# Altium PCB TC364_MainBoard_PCB_V2.0.PcbDoc (part 2 of 2)
Units mm, origin at the board's own origin, x right, y up, seen from the top; angles counter-clockwise.
Board outline 115 x 100 mm, 4 copper layers (Top Layer, GND02, POW03, Bottom Layer); 79 components, 71 nets, 301 pads, 95 vias.
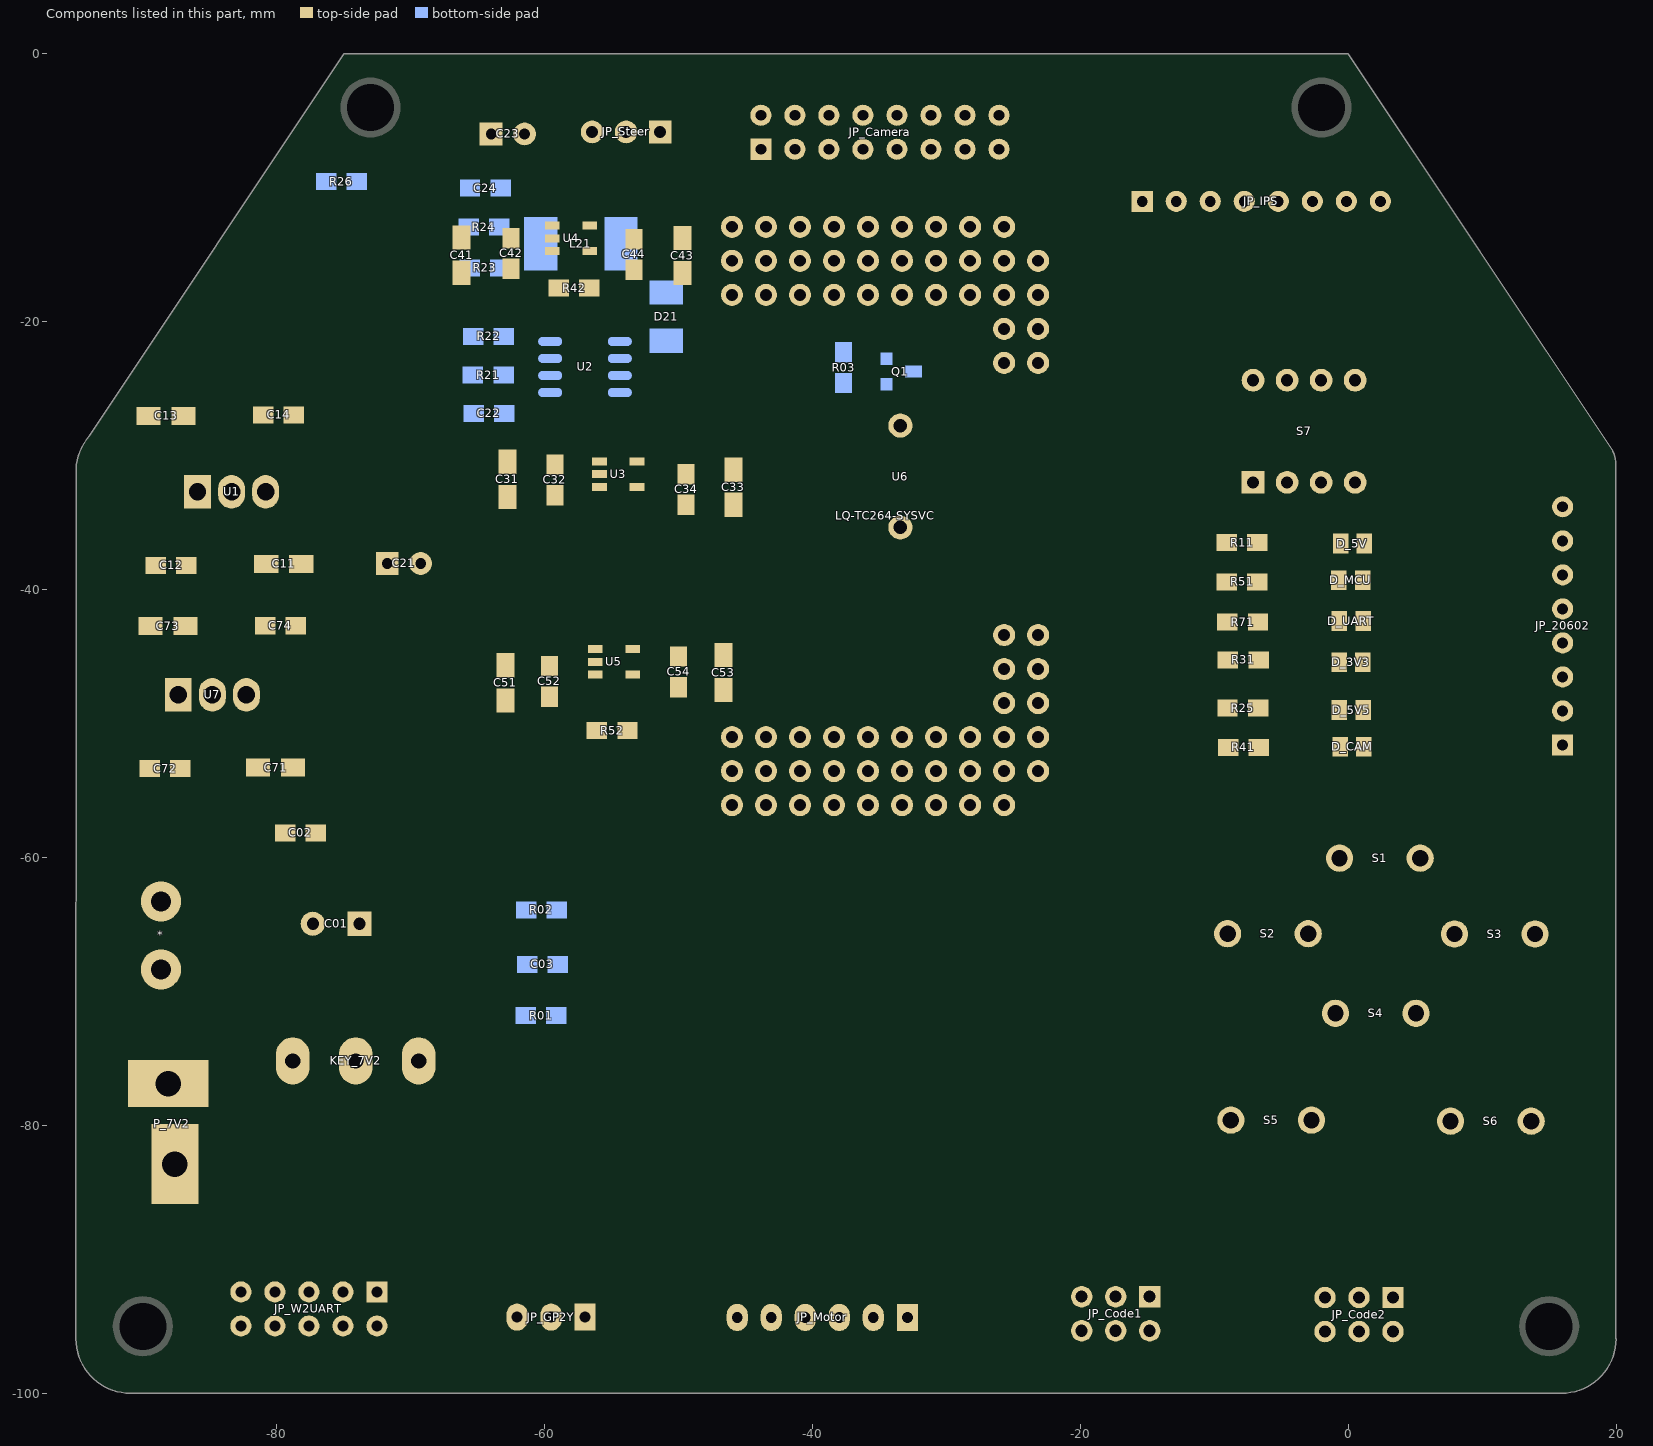
[diagram p4: the components of this part, seen from the top]

## Polygon pours and split planes (outlines as drawn) (continued)
GND on GND02 (split plane): 19.31,-29.886 19.345,-29.975 19.423,-30.27 19.469,-30.57 19.482,-30.874 19.472,-31.026 19.472,-31.043 19.471,-31.06 19.471,-95.917 19.481,-96.017 19.49,-96.046 19.49,-96.169 19.429,-96.631 19.308,-97.081 19.13,-97.511 18.897,-97.914 18.613,-98.284 18.284,-98.613 17.914,-98.897 17.511,-99.13 17.081,-99.308 16.631,-99.429 16.169,-99.49 -91.169,-99.49 -91.631,-99.429 -92.081,-99.308 -92.511,-99.13 -92.914,-98.897 -93.284,-98.613 -93.613,-98.284 -93.897,-97.914 -94.13,-97.511 -94.308,-97.081 -94.429,-96.631 -94.49,-96.169 -94.49,-95.936 -94.473,-30.728 -94.432,-30.508 -94.272,-29.994 -94.051,-29.502 -93.773,-29.041 -93.607,-28.828 -93.597,-28.812 -93.585,-28.797 -74.727,-0.51 -54.185,-0.51 -54.185,-15.476 -54.185,-17.461 -54.2,-17.484 -54.21,-17.534 -54.21,-19.337 -54.2,-19.387 -54.172,-19.429 -49.702,-23.899 -46.806,-26.795 -46.764,-26.823 -46.715,-26.833 -30.803,-26.833 -24.505,-33.131 -22.852,-34.783 -22.852,-37.879 -22.842,-37.929 -22.814,-37.971 -22.344,-38.441 -22.344,-38.641 -22.334,-38.691 -22.306,-38.733 -13.391,-47.648 -13.349,-47.676 -13.299,-47.686 -5.276,-47.686 -5.021,-47.94 -5.021,-51.798 -5.012,-51.848 -4.984,-51.89 -3.358,-53.516 -3.316,-53.544 -3.266,-53.553 1.941,-53.553 1.99,-53.544 2.032,-53.516 2.997,-52.55 3.025,-52.508 3.035,-52.459 3.025,-52.409 3.016,-52.395 3.025,-52.381 3.035,-52.332 3.035,-51.875 3.025,-51.825 2.997,-51.783 0.749,-49.535 0.749,-45.372 0.749,-39.124 0.739,-39.074 0.711,-39.032 -17.635,-20.686 -21.185,-17.136 -21.185,-16.467 -21.185,-0.51 -0.273,-0.51
VCCCAM on POW03 (split plane): -16.032,-12.624 -16.032,-14.614 -16.032,-30.831 -16.032,-31.504 -16.032,-31.643 -16.032,-42.591 -16.023,-42.641 -15.995,-42.683 -14.184,-44.493 -14.181,-44.507 -14.153,-44.549 -12.096,-46.607 -12.054,-46.635 -12.004,-46.645 -4.539,-46.645 -2.177,-49.007 -2.177,-51.211 -4.277,-53.312 -16.225,-53.312 -17.427,-52.11 -17.427,-50.427 -14.63,-50.427 -14.581,-50.417 -14.539,-50.389 -14.511,-50.347 -14.501,-50.297 -14.504,-50.282 -14.501,-50.267 -14.501,-47.498 -14.503,-47.489 -14.501,-47.48 -14.511,-47.431 -14.539,-47.389 -14.581,-47.361 -14.63,-47.351 -18.326,-47.351 -20.307,-45.369 -20.307,-13.65 -20.317,-13.6 -20.345,-13.558 -23.039,-10.865 -23.081,-10.837 -23.13,-10.827 -47.065,-10.827 -47.065,-5.776 -22.88,-5.776
VCCSteer on POW03 (split plane): -47.324,-5.647 -47.316,-5.687 -47.324,-5.727 -47.324,-10.956 -47.314,-11.006 -47.286,-11.048 -47.244,-11.076 -47.194,-11.086 -23.184,-11.086 -20.566,-13.704 -20.566,-45.423 -20.556,-45.473 -20.528,-45.515 -18.471,-47.572 -18.429,-47.6 -18.379,-47.61 -14.76,-47.61 -14.76,-50.168 -23.256,-50.168 -24.321,-49.103 -24.321,-15.197 -24.33,-15.147 -24.358,-15.105 -25.146,-14.318 -25.188,-14.29 -25.237,-14.28 -46.65,-14.28 -46.688,-14.288 -46.725,-14.28 -46.775,-14.29 -46.817,-14.318 -48.291,-15.792 -48.319,-15.834 -48.328,-15.883 -48.328,-17.963 -48.761,-18.395 -64.91,-18.395 -64.91,-14.156 -64.92,-14.106 -64.948,-14.064 -66.395,-12.616 -66.437,-12.588 -66.487,-12.578 -66.612,-12.578 -66.612,-5.443 -66.612,-0.51 -47.324,-0.51
VCC3V3 on POW03 (split plane): 19.31,-29.886 19.345,-29.975 19.423,-30.27 19.469,-30.57 19.482,-30.874 19.472,-31.026 19.472,-31.043 19.471,-31.06 19.471,-95.917 19.481,-96.017 19.49,-96.046 19.49,-96.169 19.429,-96.631 19.308,-97.081 19.13,-97.511 18.897,-97.914 18.613,-98.284 18.284,-98.613 17.914,-98.897 17.511,-99.13 17.081,-99.308 16.631,-99.429 16.169,-99.49 -26.734,-99.49 -26.734,-90 -26.734,-76.987 -26.457,-76.932 -26.391,-76.911 -26.362,-76.903 -26.089,-76.789 -26,-76.742 -25.755,-76.578 -25.72,-76.55 -25.677,-76.515 -25.468,-76.306 -25.433,-76.263 -25.405,-76.228 -25.241,-75.983 -25.194,-75.894 -25.08,-75.621 -25.06,-75.555 -25.051,-75.526 -24.994,-75.236 -24.984,-75.136 -24.984,-74.989 -24.984,-74.841 -24.994,-74.741 -25.051,-74.451 -25.06,-74.422 -25.08,-74.356 -25.194,-74.083 -25.241,-73.994 -25.405,-73.749 -25.433,-73.714 -25.468,-73.671 -25.677,-73.463 -25.72,-73.428 -25.755,-73.399 -26,-73.235 -26.089,-73.188 -26.362,-73.075 -26.457,-73.046 -26.734,-72.991 -26.734,-66.403 -26.743,-66.354 -26.771,-66.312 -36.22,-56.863 -64.913,-28.17 -64.91,-28.151 -64.91,-18.654 -48.707,-18.654 -48.657,-18.644 -48.615,-18.616 -48.107,-18.108 -48.079,-18.066 -48.07,-18.016 -48.07,-15.937 -46.668,-14.535 -46.65,-14.539 -25.291,-14.539 -24.579,-15.251 -24.579,-49.157 -24.57,-49.206 -24.542,-49.248 -23.401,-50.389 -23.359,-50.417 -23.31,-50.427 -17.686,-50.427 -17.686,-52.164 -17.676,-52.214 -17.648,-52.256 -16.371,-53.533 -16.329,-53.561 -16.279,-53.571 -4.224,-53.571 -4.174,-53.561 -4.132,-53.533 -1.956,-51.357 -1.928,-51.315 -1.918,-51.265 -1.918,-48.954 -1.928,-48.904 -1.956,-48.862 -4.394,-46.424 -4.436,-46.396 -4.486,-46.386 -11.95,-46.386 -13.939,-44.397 -13.942,-44.383 -13.97,-44.341 -15.773,-42.538 -15.773,-31.504 -15.773,-30.831 -15.773,-14.614 -15.773,-12.57 -15.783,-12.521 -15.811,-12.479 -22.735,-5.555 -22.777,-5.527 -22.827,-5.517 -47.065,-5.517 -47.065,-0.51 -0.273,-0.51
VCCUART on POW03 (split plane): -66.641,-54.954 -66.641,-60.3 -66.641,-89.976 -66.641,-99.49 -91.169,-99.49 -91.631,-99.429 -92.081,-99.308 -92.511,-99.13 -92.914,-98.897 -93.284,-98.613 -93.613,-98.284 -93.897,-97.914 -94.13,-97.511 -94.308,-97.081 -94.429,-96.631 -94.49,-96.169 -94.49,-95.936 -94.476,-45.189 -76.406,-45.189
VCC5V on POW03 (split plane): -66.87,-5.443 -66.87,-12.708 -66.861,-12.757 -66.833,-12.799 -66.791,-12.827 -66.741,-12.837 -66.541,-12.837 -65.169,-14.209 -65.169,-18.323 -65.182,-18.331 -65.21,-18.373 -65.219,-18.423 -65.21,-18.472 -65.182,-18.514 -65.169,-18.527 -65.169,-28.022 -65.218,-28.031 -65.26,-28.059 -65.288,-28.101 -65.298,-28.151 -65.288,-28.201 -65.26,-28.243 -65.218,-28.271 -65.169,-28.28 -36.403,-57.046 -26.992,-66.457 -26.992,-72.978 -27.142,-72.978 -27.242,-72.988 -27.532,-73.046 -27.561,-73.054 -27.627,-73.075 -27.9,-73.188 -27.989,-73.235 -28.234,-73.399 -28.269,-73.428 -28.312,-73.463 -28.52,-73.671 -28.555,-73.714 -28.584,-73.749 -28.748,-73.994 -28.795,-74.083 -28.908,-74.356 -28.917,-74.385 -28.937,-74.451 -28.995,-74.741 -29.004,-74.831 -29.005,-74.841 -29.005,-74.989 -29.005,-75.136 -29.004,-75.146 -28.995,-75.236 -28.937,-75.526 -28.917,-75.592 -28.908,-75.621 -28.795,-75.894 -28.748,-75.983 -28.584,-76.228 -28.555,-76.263 -28.52,-76.306 -28.312,-76.515 -28.269,-76.55 -28.234,-76.578 -27.989,-76.742 -27.9,-76.789 -27.627,-76.903 -27.598,-76.911 -27.532,-76.932 -27.242,-76.989 -27.152,-76.998 -27.142,-76.999 -26.992,-76.999 -26.992,-90 -26.992,-99.49 -66.382,-99.49 -66.382,-89.976 -66.382,-60.3 -66.382,-54.901 -66.392,-54.851 -66.42,-54.809 -76.261,-44.968 -76.303,-44.94 -76.352,-44.93 -94.476,-44.93 -94.473,-30.728 -94.432,-30.508 -94.272,-29.994 -94.051,-29.502 -93.773,-29.041 -93.607,-28.828 -93.597,-28.812 -93.585,-28.797 -74.727,-0.51 -66.87,-0.51

## Keep-outs
Keep-Out Layer:
  lines w0.254: -95,-95.936 ccw(c-90.936,-95.936) -90.936,-100 15.936,-100 ccw(c15.936,-95.936) 20,-95.936 ; -94.983,-95.919 -94.983,-30.681 cw(c-90.066,-31.588) -94.009,-28.514 -75,0 0,0 19.766,-29.65 cw(c16.679,-30.842) 19.981,-31.06 19.981,-95.917

## Other copper
Top Layer:
  text "TC364_MainBoard_V2.0" at -19.395,-3.208 h1.52
  text "2022.2.15" at -12.164,-5.189 h1.52
  text "OnTheWay" at -18.633,-5.24 h1.52
  text "合肥工业大学" at -64.44,-81.559 h1.52
  text "OnTheWay" at -63.602,-83.134 h1.52
  text "十七届四轮摄像头" at -65.253,-84.633 h1.52
  text "2022.2.15" at -63.297,-85.954 h1.52
GND02 (plane layer: these items are gaps in the copper):
  lines w0.254: -54.081,-17.534 -54.081,-19.337 -49.61,-23.808 -46.715,-26.703 -30.749,-26.703 -24.413,-33.039 ; -54.055,-17.508 -54.055,-15.476 -54.055,-0.113 ; -24.413,-32.988 -24.413,-33.039 ; -21.315,0 -21.315,-16.467 -21.315,-17.189 -17.726,-20.778 0.62,-39.124 0.62,-45.372 0.62,-49.589 2.906,-51.875 2.906,-52.332 ; 2.906,-52.459 1.941,-53.424 0.594,-53.424 -3.266,-53.424 -4.892,-51.798 -4.892,-47.887 -5.222,-47.557 -13.299,-47.557 -22.215,-38.641 -22.215,-38.387 -22.723,-37.879 -22.723,-34.73 -24.413,-33.039
POW03 (plane layer: these items are gaps in the copper):
  lines w0.254: -95,-39.632 -94.822,-39.81 ; -94.513,-45.06 -76.352,-45.06 -66.511,-54.901 -66.511,-60.3 -66.511,-89.976 -66.511,-99.733 -66.382,-99.863 ; -68.925,-0.051 -66.741,-0.051 -66.741,-5.443 -66.741,-12.708 -66.487,-12.708 -65.039,-14.156 -65.039,-28.151 ; -65.169,-28.151 -65.115,-28.151 -36.312,-56.955 -26.863,-66.403 -26.863,-90 -26.863,-99.783 ; -65.09,-18.423 -64.988,-18.524 -54.701,-18.524 -48.707,-18.524 -48.199,-18.016 -48.199,-15.883 -46.725,-14.41 ; -47.194,-5.727 -47.194,-10.956 -43.82,-10.956 -23.13,-10.956 -20.437,-13.65 -20.437,-45.423 -18.379,-47.48 -14.63,-47.48 ; -47.194,-0.052 -47.194,-5.647 -44.033,-5.647 -22.827,-5.647 -15.903,-12.57 -15.903,-14.614 -15.903,-30.831 -15.903,-31.643 ; -46.777,-0.051 -46.726,0 ; -46.65,-14.41 -46.573,-14.41 -25.407,-14.41 -25.237,-14.41 -24.45,-15.197 -24.45,-49.157 -23.31,-50.297 -17.208,-50.297 -14.63,-50.297 ; -17.557,-50.417 -17.557,-52.164 -16.279,-53.442 -4.224,-53.442 -2.047,-51.265 -2.047,-48.954 -4.486,-46.515 -12.004,-46.515 -14.061,-44.458 -14.061,-44.433 -15.903,-42.591 -15.903,-31.504 ; -14.63,-50.267 -14.63,-47.498

## Silkscreen, mask and mechanical layers (free items; w line width, h text height)
Top Overlay:
  circle w0.254: c-37.494,-74.989 r4
  circle w0.254: c-37.494,-74.989 r13.5
  lines w0.152: -23.905,-96.807 -10.824,-96.807 -10.824,-89.695 -23.905,-89.695 -23.905,-96.807 ; -5.738,-96.868 -5.738,-89.756 7.343,-89.756 7.343,-96.868 -5.738,-96.868
  lines w0.254: -18.206,-91.473 -18.206,-90.584 -17.952,-90.33 -16.682,-90.33 -16.428,-90.584 -16.428,-91.473 ; -0.039,-91.534 -0.039,-90.645 0.215,-90.391 1.485,-90.391 1.739,-90.645 1.739,-91.534
  text "3V3" at -47.767,-5.215 h0.76
  text "GND" at -57.318,-8.263 h0.76
  text "GND" at -16.322,-9.253 h0.76
  text "3V3" at -13.706,-9.253 h0.76
  text "3V3" at 12.355,-49.919 h0.76
  text "GND" at 12.431,-52.306 h0.76
  text "UP" at 1.661,-58.021 h0.76
  text "GND" at -94.06,-63.406 h0.76
  text "RIGHT" at 9.623,-63.508 h0.76
  text "LEFT" at -7.153,-63.635 h0.76
  text "DOWN" at 0.366,-69.451 h0.76
  text "SET" at 9.75,-77.63 h0.76
  text "BACK" at -7.141,-77.681 h0.76
  text "GND" at -80.903,-90.559 h0.76
  text "5V" at -83.087,-90.635 h0.76
  text "5V" at -57.611,-92.769 h0.76
  text "GND" at -33.659,-92.921 h0.76
  text "GND" at -13.212,-92.946 h0.76
  text "GND" at -60.634,-93.099 h0.76
  text "5V" at -46.511,-93.15 h0.76
  text "GND" at 5.021,-93.213 h0.76
  text "3V3" at 5.021,-95.88 h0.76
  text "3V3" at -13.187,-95.944 h0.76
Top Solder:
  text "TC364_MainBoard_V2.0" at -19.395,-3.208 h1.52
  text "2022.2.15" at -12.164,-5.189 h1.52
  text "OnTheWay" at -18.633,-5.24 h1.52
  text "合肥工业大学" at -64.44,-81.559 h1.52
  text "OnTheWay" at -63.602,-83.134 h1.52
  text "十七届四轮摄像头" at -65.253,-84.633 h1.52
  text "2022.2.15" at -63.297,-85.954 h1.52
Mechanical 1:
  circle w0.254: c-37.494,-64.489 r1.5
  circle w0.254: c-37.494,-85.489 r1.5
  circle w0.254: c-47.994,-74.989 r1.5
  circle w0.254: c-26.994,-74.989 r1.5

## Dimensions
-75,0 to 0,0 on Mechanical 1
20,-30 to 15.936,-100 on Mechanical 1
-95,-95.936 to 20,-95.936 on Mechanical 1
0,0 to 15.936,-100 on Mechanical 1

## Text inside footprints (layer, text, board x,y; h text height)
S7: Top Overlay "ON" at -6.848,-26.398 h0.76
U6: Top Overlay "+" at -34.758,-35.55 h0.76 r135